# KiCad board kibot_a7dshx9q.kicad_pcb (continued)
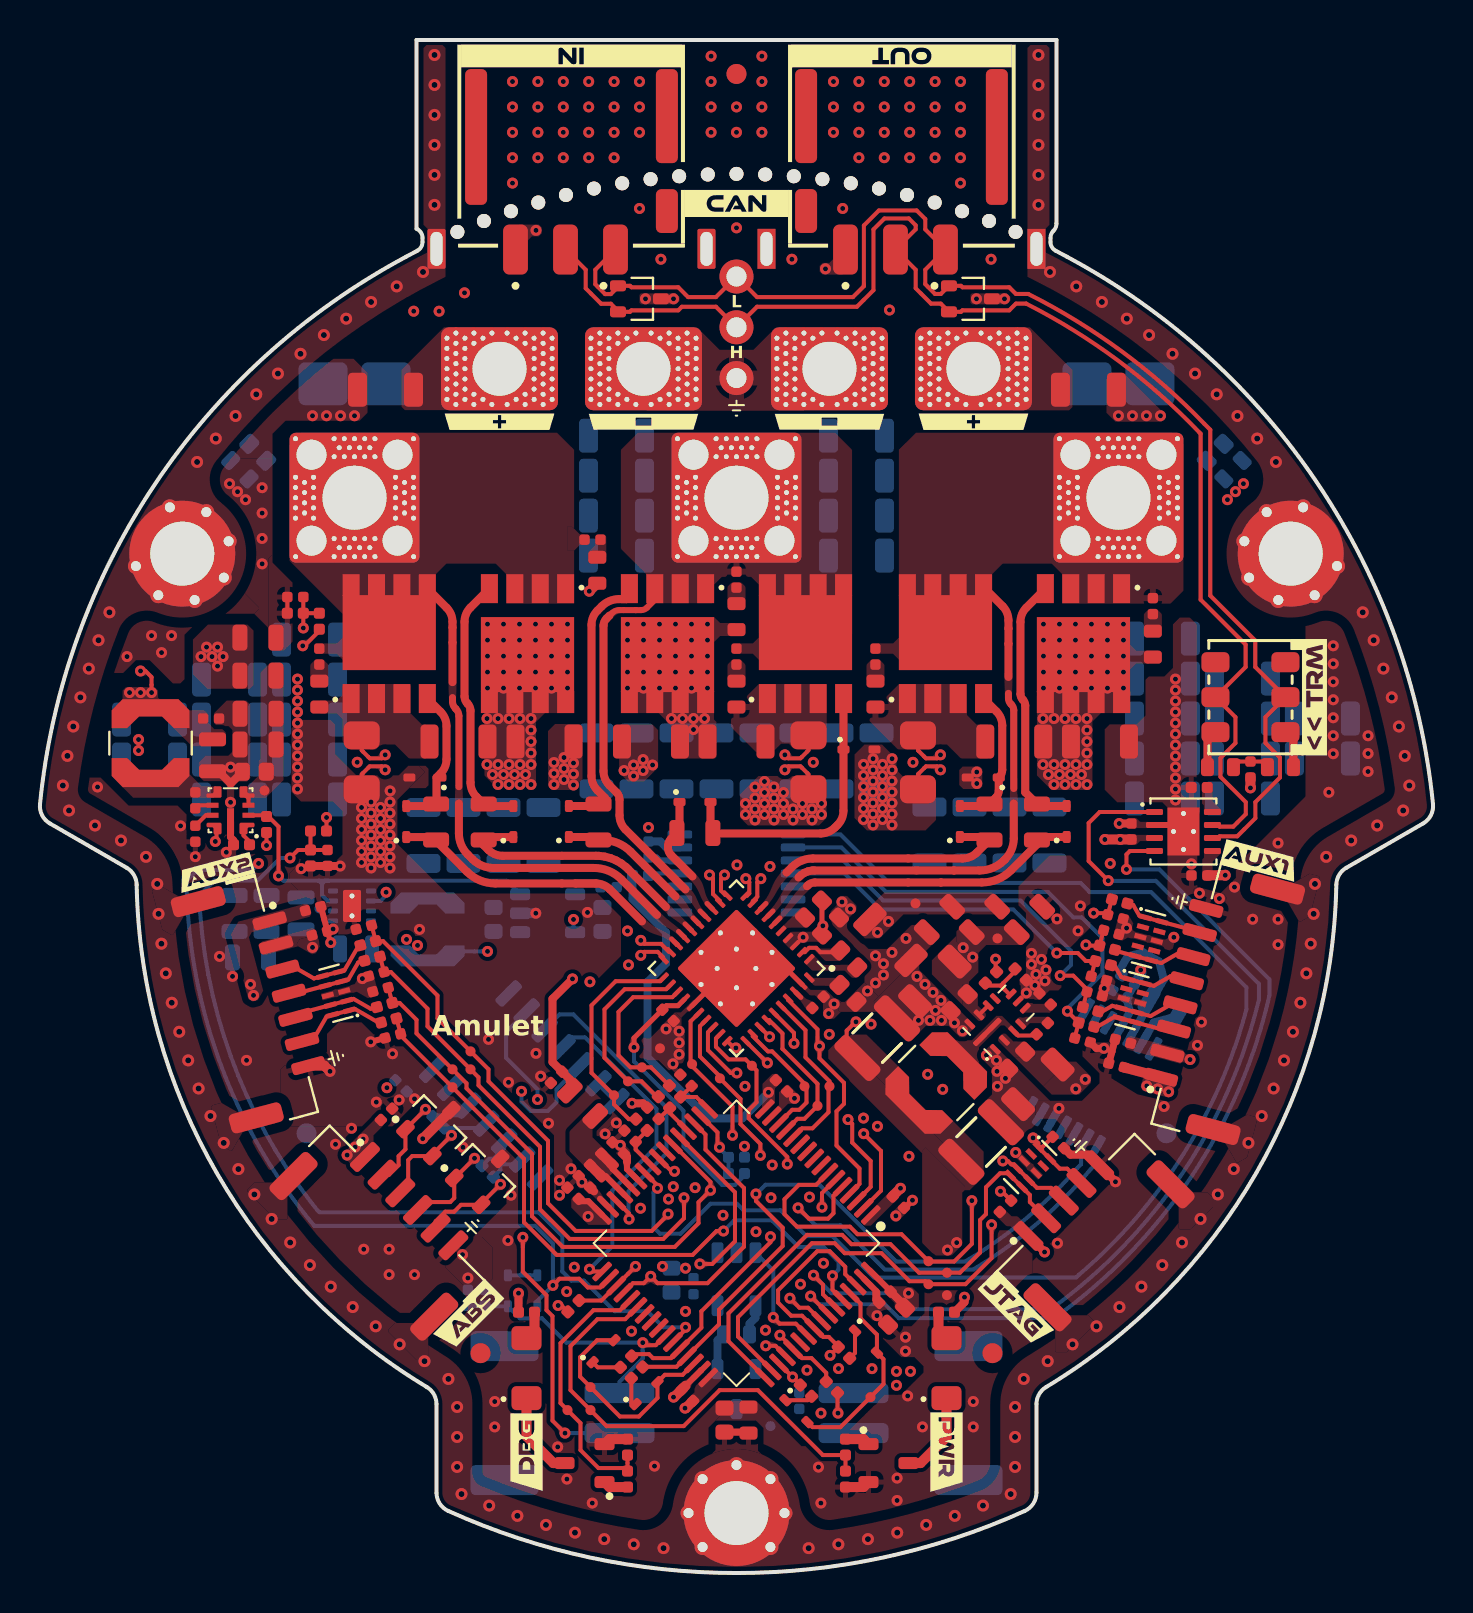
[diagram p0: board, top side]
## Nets (continued)
/Project Architecture/Motor Control - Top Level/CPL: C91.2 U6.1
/Project Architecture/Motor Control - Top Level/GHA: D4.1 R10.2 TP59.1 U6.6
/Project Architecture/Motor Control - Top Level/GHB: D7.1 R13.1 TP62.1 U6.15
/Project Architecture/Motor Control - Top Level/GHC: D10.1 R16.1 TP65.1 U6.16
/Project Architecture/Motor Control - Top Level/GLA: D5.1 R11.1 TP60.1 U6.8
/Project Architecture/Motor Control - Top Level/GLB: D8.1 R14.1 TP63.1 U6.13
/Project Architecture/Motor Control - Top Level/GLC: D11.1 R17.1 TP66.1 U6.18
/Project Architecture/Motor Control - Top Level/Motor Control - Inverter/FET_GHA: D4.2 Q1.4 R10.1
/Project Architecture/Motor Control - Top Level/Motor Control - Inverter/FET_GHB: D7.2 Q3.4 R13.2
/Project Architecture/Motor Control - Top Level/Motor Control - Inverter/FET_GHC: D10.2 Q5.4 R16.2
/Project Architecture/Motor Control - Top Level/Motor Control - Inverter/FET_GLA: D3.1 D5.2 Q2.4 R11.2
/Project Architecture/Motor Control - Top Level/Motor Control - Inverter/FET_GLB: D6.1 D8.2 Q4.4 R14.2
/Project Architecture/Motor Control - Top Level/Motor Control - Inverter/FET_GLC: D9.1 D11.2 Q6.4 R17.2
/Project Architecture/Motor Control - Top Level/Motor Control - Inverter/PHA: C133.2 C136.1 J3.1 NT4.2 Q1.1 Q1.2 Q1.3 Q2.5 Q2.6 Q2.7 Q2.8
/Project Architecture/Motor Control - Top Level/Motor Control - Inverter/PHB: C134.2 C137.1 J4.1 NT7.2 Q3.1 Q3.2 Q3.3 Q4.5 Q4.6 Q4.7 Q4.8
/Project Architecture/Motor Control - Top Level/Motor Control - Inverter/PHC: C135.2 C138.1 J5.1 NT10.2 Q5.1 Q5.2 Q5.3 Q6.5 Q6.6 Q6.7 Q6.8
/Project Architecture/Motor Control - Top Level/Motor Control - Inverter/SNUBH_A: C136.2 R58.1
/Project Architecture/Motor Control - Top Level/Motor Control - Inverter/SNUBH_B: C137.2 R59.1
/Project Architecture/Motor Control - Top Level/Motor Control - Inverter/SNUBH_C: C138.2 R60.1
/Project Architecture/Motor Control - Top Level/Motor Control - Inverter/SNUBL_A: C133.1 R55.2
/Project Architecture/Motor Control - Top Level/Motor Control - Inverter/SNUBL_B: C134.1 R56.2
/Project Architecture/Motor Control - Top Level/Motor Control - Inverter/SNUBL_C: C135.1 R57.2
/Project Architecture/Motor Control - Top Level/Motor Control - Inverter/SRC_LS_A: C95.2 NT5.1 Q2.1 Q2.2 Q2.3 R12.2 R55.1
/Project Architecture/Motor Control - Top Level/Motor Control - Inverter/SRC_LS_B: C97.2 NT8.2 Q4.1 Q4.2 Q4.3 R15.2 R56.1
/Project Architecture/Motor Control - Top Level/Motor Control - Inverter/SRC_LS_C: C99.2 NT11.2 Q6.1 Q6.2 Q6.3 R18.2 R57.1
/Project Architecture/Motor Control - Top Level/SA_N: NT6.1 TP69.1 U6.10
/Project Architecture/Motor Control - Top Level/SA_P: NT5.2 TP68.1 U6.9
/Project Architecture/Motor Control - Top Level/SB_N: NT9.1 TP71.1 U6.11
/Project Architecture/Motor Control - Top Level/SB_P: NT8.1 TP70.1 U6.12
/Project Architecture/Motor Control - Top Level/SC_N: NT12.1 TP73.1 U6.20
/Project Architecture/Motor Control - Top Level/SC_P: NT11.1 TP72.1 U6.19
/Project Architecture/Motor Control - Top Level/SHA: NT4.1 TP61.1 U6.7
/Project Architecture/Motor Control - Top Level/SHB: NT7.1 TP64.1 U6.14
/Project Architecture/Motor Control - Top Level/SHC: NT10.1 TP67.1 U6.17
/Project Architecture/Motor Control - Top Level/VCP: C88.2 U6.5
/Project Architecture/Motor Control - Top Level/VGLS: C93.1 U6.40
/Project Architecture/Power - Generation/ADJ_A3V3: C76.1 U5.4
/Project Architecture/Power - Generation/BOOT_5V: C27.2 U2.6
/Project Architecture/Power - Generation/BOOT_12V: C28.2 U3.4
/Project Architecture/Power - Generation/F_VIN_3V3: C52.1 C56.1 FB4.2 TP44.1 U4.2
/Project Architecture/Power - Generation/F_VIN_5V: C17.1 C20.1 C22.1 FB2.2 TP43.1 U2.3 U2.4
/Project Architecture/Power - Generation/F_VIN_12V: C18.1 C19.1 C21.1 C23.1 C25.1 FB3.2 TP42.1 U3.2 U3.9 U3.10
/Project Architecture/Power - Generation/FB_5V: NT1.2 U2.8
/Project Architecture/Power - Generation/FB_12V: NT2.1 R5.1
/Project Architecture/Power - Generation/FB_DIV_12V: R5.2 R6.1 U3.7
/Project Architecture/Power - Generation/MODE_5V: R4.1 U2.1
/Project Architecture/Power - Generation/PG_3V3: U4.8
/Project Architecture/Power - Generation/PG_5V: R7.1 U2.2 U4.3 U5.3
/Project Architecture/Power - Generation/PG_12V: U3.8
/Project Architecture/Power - Generation/SW_3V3: L3.1 U4.7
/Project Architecture/Power - Generation/SW_5V: C27.1 L1.1 U2.5
/Project Architecture/Power - Generation/SW_12V: C28.1 L2.1 U3.3 U3.12
/Project Architecture/Power - Generation/VOS_3V3: NT3.1 U4.6
/Project Architecture/Sensing - Position/COMM_VDD: R31.2 U7.11
/Project Architecture/Sensing - Position/DIS_VDD3V: C106.1 R32.2 U8.12
/Project Architecture/User - LED Indicators/DBG_G: Q7.1 R22.2
/Project Architecture/User - LED Indicators/LED_DBG_A: D12.2 R23.1
/Project Architecture/User - LED Indicators/LED_DBG_K: D12.1 Q7.3
/Project Architecture/User - LED Indicators/LED_PWR_A: D13.2 R26.2
/Project Architecture/User - LED Indicators/LED_PWR_K: D13.1 Q8.3
/Project Architecture/User - LED Indicators/PWR_G: Q8.1 R25.2
CHASSIS: C130.1 C131.1 C132.1 D1.1 D2.1 D24.3 D25.3 H1.1 H2.1 H3.1 J1.MP2 J2.MP2 J6.MP1 J6.MP2 J7.MP1 J7.MP2 J8.MP1 J8.MP2 J9.MP1 J9.MP2 J10.MP1 J10.MP2 J14.MP1 J14.MP2 R52.1 R53.1 R54.1

Pads without a net: D16 2 4 7 9; D18 2 9; D26 2 9; J1 MP1; J2 MP1; J12 MP1 MP2 MP3; J13 MP1 MP2 MP3; SW1 3 6; U7 6 7 8 9 10 14; U8 3 4 6 7 8 9 10 14; U9 1 8

## Via types
v1: diameter 0.55, hole 0.25, L1 (Sig, PWR) to L6 (Sig, PWR), 674 vias
v2: diameter 0.6, hole 0.3, L1 (Sig, PWR) to L6 (Sig, PWR), 120 vias

## Routing (per net, layer and track width the routed paths; a pad name or vN(x,y) marks a point on that pad's centre or on a via; arc(x,y) is an arc through that point)
+3V3: length 34.4
  L1 (Sig, PWR) w0.2: v1(25.91,13.38) 26.08,13.38 R8.1 ; R9.1 39.88,8.02 v1(39.9,8)
  L1 (Sig, PWR) w0.3: C8.1 42.54,14.1 41.49,15.14 ; C4.1 27.05,18.6 27.42,18.6 U1.32
  L1 (Sig, PWR) w0.4: v1(50.23,16.06) J14.1 ; C8.1 43.25,13.37 C1.1
  L1 (Sig, PWR) w0.5: C108.1 58.39,34.91 v1(59.27,34.91) ; C5.1 32.29,8.25 v1(32.25,8.25) ; C9.1 42.64,18.86 v1(43.03,19.25)
  L6 (Sig, PWR) w0.2: L3.2 20.73,30.65 21.18,31.1 NT3.2
  L6 (Sig, PWR) w0.3: U7.12 30.98,35.65 30.83,35.8 C104.1
  L6 (Sig, PWR) w0.4: R32.1 C105.1 54.51,28.09 U8.11 ; v1(36.43,24.05) 35.13,22.75 33.42,22.75 30.38,25.8 30.38,29.58 31.3,30.5 31.3,32.05 29.63,33.73 R31.1
  L6 (Sig, PWR) w0.5: v1(55.04,30.17) 55.07,30.04 R32.1
  vias: v1(13.63,31.3) v1(17.35,24.28) v1(18.33,31.7) v1(18.88,31.4) v1(27.41,17.84) v1(43.43,14) v1(57.51,25.69)
+5V: length 6.2
  L1 (Sig, PWR) w0.2: NT1.1 5.58,44 ; R7.2 v1(11.33,36.4)
  L1 (Sig, PWR) w0.4: R26.1 46.23,13.55 v1(46.23,13.8) ; v1(23.93,14) R23.2
  L1 (Sig, PWR) w0.5: v1(53.25,36.7) v1(54.02,36.7) C109.1 ; J6.1 54.22,25.29
  vias: v1(4.48,44.05) v1(5.03,44.05) v1(5.58,44.05) v1(10.53,29.45) v1(10.68,28.9) v1(15.36,20.91) v1(15.76,21.31) v1(16.16,21.71) v1(32.28,13.09) v1(55.34,24.37) v1(55.89,24.22) v1(56.44,24.08)
+12V: length 2.4
  L1 (Sig, PWR) w0.2: 45.98,20.66 46.54,20.1 ; C30.1 40.34,26.31 NT2.2
  vias: v1(42.83,10.09) v1(42.83,9.39) v1(43.53,10.09) v1(45.38,16.16) v1(45.84,16.53)
+A3V3: length 59.1
  L1 (Sig, PWR) w0.2: TH1.1 13.97,47.14 13.22,46.39 v1(13.14,46.39) ; v1(26.25,7) 25.63,7.63 25.63,12.85 25.33,13.15 25.33,13.89 24.14,15.08 v1(24.14,16.8)
  L1 (Sig, PWR) w0.25: v1(29.7,26.3) 29.7,26.77 C90.1 31.32,28.39 31.9,28.39 32.22,28.7
  L1 (Sig, PWR) w0.4: FB1.1 26.49,24.7 C2.1 25.63,25.57 25.63,28.73 v1(26.63,29.73)
  L3 (Sig, PWR) w0.2: v1(26.68,32.7) 25.65,33.73 21.49,33.73 19.26,35.96 19.26,40.97 13.84,46.39 v1(13.14,46.39)
  L6 (Sig, PWR) w0.2: R19.1 35.23,19.9 34.75,19.42 34.11,19.42 32.18,21.35 32.18,23.12 29.7,25.6 v1(29.7,26.3) ; NT13.1 v1(26.25,7) ; 24.14,15.02 24.27,14.9 24.47,14.9 ; 24.14,15.02 v1(24.14,16.8) ; 24.14,15.02 24.02,14.9 ; D14.1 24.87,14.9 24.47,14.9 ; 24.02,14.9 24.47,14.9 ; 24.02,14.9 D15.1 ; U5.5 26.68,32.14 v1(26.68,32.7)
  vias: v1(27.5,29.58)
+VBAT: length 3.8
  L1 (Sig, PWR) w0.2: v1(14.33,37.8) R29.1
  L1 (Sig, PWR) w0.25: C88.1 39.1,32.43 v1(39.15,32.38) 39.15,31.99 C92.1
  L1 (Sig, PWR) w0.5: v1(27.47,49.12) R60.2
  L6 (Sig, PWR) w0.2: 15.03,38.15 14.68,38.15 v1(14.33,37.8)
  vias: v1(8.05,45.85) v1(8.33,46.33) v1(8.6,45.85) v1(8.88,46.33) v1(8.88,45.38) v1(9.15,45.85) v1(22.35,42.75) v1(22.35,40.45) v1(22.38,47.48) v1(22.38,46.68) v1(22.38,45.88) v1(22.38,45.08) v1(22.38,44.28) v1(22.63,39.95) v1(22.9,42.75) v1(22.9,40.45) v1(22.9,39.45) v1(23.18,47.48) v1(23.18,46.68) v1(23.18,45.88) v1(23.18,45.08) v1(23.18,44.28) v1(23.18,39.95) v1(23.45,42.75) v1(23.45,40.45) v1(23.45,39.45) v1(23.73,39.95) v1(23.98,47.48) v1(23.98,46.68) v1(23.98,45.88) v1(23.98,45.08) v1(23.98,44.28) v1(24,42.75) v1(24,40.45) v1(24,39.45) v1(24.28,39.95) v1(24.55,42.75) v1(24.55,42.18) v1(24.55,41.6) v1(24.55,41.03) v1(24.55,40.45) v1(24.55,39.45) v1(24.78,47.48) v1(24.78,46.68) v1(24.78,45.88) v1(24.78,45.08) v1(24.78,44.28) v1(25.58,47.48) v1(25.58,46.68) v1(25.58,45.88) v1(25.58,45.08) v1(25.58,44.28) v1(26.38,47.48) v1(26.38,46.68) v1(26.38,45.88) v1(26.38,45.08) v1(26.38,44.28) v1(29.38,47.48) v1(29.38,46.68) v1(29.38,45.88) v1(29.38,45.08) v1(29.38,44.28) v1(30.18,47.48) v1(30.18,46.68) v1(30.18,45.88) v1(30.18,45.08) v1(30.18,44.28) v1(30.98,47.48) v1(30.98,46.68) v1(30.98,45.88) v1(30.98,45.08) v1(30.98,44.28) v1(31.58,42.75) v1(31.78,47.48) v1(31.78,46.68) v1(31.78,45.88) v1(31.78,45.08) v1(31.78,44.28) v1(32.13,42.75) v1(32.58,47.48) v1(32.58,46.68) v1(32.58,45.88) v1(32.58,45.08) v1(32.58,44.28) v1(32.68,42.75) v1(32.68,42.2) v1(33.23,42.75) v1(33.38,47.48) v1(33.38,46.68) v1(33.38,45.88) v1(33.38,45.08) v1(33.38,44.28) v1(38.16,31.81) v1(41.88,32.05) v1(42.43,32.6) v1(50.15,42.75) v1(50.15,40.45) v1(50.18,47.48) v1(50.18,46.68) v1(50.18,45.88) v1(50.18,45.08) v1(50.18,44.28) v1(50.43,39.95) v1(50.7,42.75) v1(50.7,40.45) v1(50.7,39.45) v1(50.98,47.48) v1(50.98,46.68) v1(50.98,45.88) v1(50.98,45.08) v1(50.98,44.28) v1(50.98,39.95) v1(51.25,42.75) v1(51.25,40.45) v1(51.25,39.45) v1(51.53,39.95) v1(51.78,47.48) v1(51.78,46.68) v1(51.78,45.88) v1(51.78,45.08) v1(51.78,44.28) v1(51.8,42.75) v1(51.8,40.45) v1(51.8,39.45) v1(52.08,39.95) v1(52.35,42.75) v1(52.35,42.18) v1(52.35,41.6) v1(52.35,41.03) v1(52.35,40.45) v1(52.35,39.45) v1(52.58,47.48) v1(52.58,46.68) v1(52.58,45.88) v1(52.58,45.08) v1(52.58,44.28) v1(53.38,47.48) v1(53.38,46.68) v1(53.38,45.88) v1(53.38,45.08) v1(53.38,44.28) v1(54.18,47.48) v1(54.18,46.68) v1(54.18,45.88) v1(54.18,45.08) v1(54.18,44.28)
/Project Architecture/Motor Control - Top Level/DVDD: length 0.4
  L1 (Sig, PWR) w0.25: 37.79,29.06 38.05,28.8
/Project Architecture/Power - Generation/VCC_5V: length 1.1
  L1 (Sig, PWR) w0.2: U2.7 8.29,37.91 C24.1
GND: length 48.3
  L1 (Sig, PWR) w0.2: NT9.2 38.43,39.96 R15.1 ; NT12.2 16.09,39.96 R18.1 ; R12.1 43.9,39.96 NT6.2 ; R4.2 9.32,36.08 v1(9.32,36.06) ; C127.2 48.09,19.1 v1(48.03,19.1) ; R27.2 C101.2 ; U6.25 32.6,28.37
  L1 (Sig, PWR) w0.25: C115.2 14.53,31.55 v1(14.54,31.54) ; U6.25 34.47,30.25 U6.41 37.3,30.25 U6.39
  L1 (Sig, PWR) w0.3: 41.82,14.03 41.82,14.1 U1.63 ; C9.2 43.25,18.27 v1(43.63,18.65) ; 29.35,20.57 29.35,20.21 U1.27 ; U10.9 56.85,37.43 U10.2 ; C113.2 C115.2 ; U1.47 33.05,10.14 32.28,9.37 ; C117.2 16.54,26.58 v1(16.54,26.57) ; U1.31 28,18.73
  L1 (Sig, PWR) w0.35: C114.2 53.76,26.71 53.6,26.08 53.6,26.08 53.44,25.5 ; R4.2 9.68,36.67 9.53,36.82 U2.9 ; v1(53.2,26.25) 52.82,26.25 C124.2
  L1 (Sig, PWR) w0.4: 29.35,20.57 29.35,20.83 C11.2 ; 41.82,14.03 41.82,13.67 C8.2 ; 53.45,25.49 C112.2 ; v1(15.01,35.37) 15,35.38 C103.2 R30.2 ; v1(29.6,23.5) 30.15,23.5 C13.2 ; 27.71,19.1 27.52,19.28 C10.2 ; C128.2 51.53,20.93 52.43,20.93 J14.5 53.78,19.59 v1(53.78,19.58) ; v1(53.97,37.5) C109.2 ; 9.53,39.49 9.9,39.86 ; C37.2 8.93,40.11 9.53,39.51
  L1 (Sig, PWR) w0.5: Q7.2 28.48,6.7 R21.2 ; Q8.2 41.18,4.3 R24.2 ; v1(60.53,39.28) C129.2 ; v1(14.5,25.1) 14.22,25.39 J7.7 ; 20.42,23.01 19.14,21.73 v1(19.14,21.73) ; 32.28,9.37 C5.2 31.71,8.8 v1(31.68,8.8)
  L6 (Sig, PWR) w0.2: R20.2 v1(35.23,21.35)
  L6 (Sig, PWR) w0.25: v1(9.63,29.85) C45.2 9.58,30.85 v1(8.98,30.85)
  L6 (Sig, PWR) w0.3: U9.6 U9.7
  L6 (Sig, PWR) w0.4: C106.2 55.69,27.54 U8.13 ; v1(50.95,23.25) 50.52,22.49 ; C104.2 31.02,36.6 31.32,36.3 U7.13
  L6 (Sig, PWR) w0.5: v1(24.79,33.01) U5.2
  vias: v1(2.88,39.33) v1(4.35,45.85) v1(4.93,41.7) v1(4.93,41.15) v1(5.58,46.9) v1(6.08,46.05) v1(6.58,46.9) v1(7.03,37.38) v1(7.77,35.84) v1(9.48,54.5) v1(9.53,40.32) v1(9.53,38.56) v1(9.88,54.1) v1(10.28,53.7) v1(10.33,25.65) v1(11.11,54.3) v1(11.11,53.03) v1(11.11,51.76) v1(11.11,50.49) v1(12.88,44.73) v1(12.88,44.18) v1(12.88,43.63) v1(12.88,43.08) v1(12.88,42.53) v1(12.88,41.98) v1(12.88,41.43) v1(12.88,40.88) v1(12.88,40.33) v1(12.88,39.78) v1(12.88,39.23) v1(13.06,35.24) v1(13.63,57.9) v1(14.33,57.9) v1(14.66,32.22) v1(14.78,21.45) v1(15.03,57.9) v1(15.58,22.25) v1(15.73,57.9) v1(15.86,40.57) v1(16.08,38.3) v1(16.08,37.75) v1(16.08,37.2) v1(16.08,36.65) v1(16.08,36.1) v1(16.08,35.55) v1(16.12,29.74) v1(16.19,16.2) v1(16.55,38.58) v1(16.55,38.03) v1(16.55,37.48) v1(16.55,36.93) v1(16.55,36.38) v1(16.55,35.83) v1(16.55,35.28) v1(16.82,23.56) v1(17.03,38.3) v1(17.03,37.75) v1(17.03,37.2) v1(17.03,36.65) v1(17.03,36.1) v1(17.03,35.55) v1(17.46,16.2) v1(17.46,14.93) v1(17.51,39.13) v1(17.5,38.58) v1(17.5,38.03) v1(17.5,37.48) v1(17.5,36.93) v1(17.5,36.38) v1(17.5,35.83) v1(17.5,35.28) v1(17.63,25.98) v1(17.96,23.67) v1(18.69,63.13) v1(18.73,23.73) v1(18.73,14.93) v1(18.98,32.2) v1(19.96,63.13) v1(21.15,21.3) v1(21.13,15.93) v1(21.23,64.05) v1(21.4,14.76) v1(22.43,26.7) v1(22.74,8.58) v1(22.74,7.31) v1(23.43,24.55) v1(23.4,16.64) v1(23.55,18.9) v1(23.63,74.62) v1(23.63,73.35) v1(23.63,72.08) v1(23.63,70.81) v1(23.63,69.54) v1(24.8,67.18) v1(24.8,26) v1(24.9,74.62) v1(24.9,73.35) v1(24.9,72.08) v1(24.9,70.81) v1(25.03,24.86) v1(25.43,22.5) v1(25.7,40.55) v1(25.7,40) v1(25.7,39.45) v1(25.89,6.31) v1(25.98,19.65) v1(25.98,18.9) v1(26.17,74.62) v1(26.17,73.35) v1(26.17,72.08) v1(26.17,70.81) v1(26.2,40.8) v1(26.2,40.25) v1(26.2,39.7) v1(26.34,14.08) v1(26.35,4.7) v1(26.55,20.23) v1(26.68,40.53) v1(26.68,39.98) v1(26.68,39.43) v1(26.72,15.3) v1(27.1,19.55) v1(27.44,74.62) v1(27.44,73.35) v1(27.44,72.08) v1(27.44,70.81) v1(27.38,33.05) v1(27.62,3.5) v1(28.26,21.97) v1(28.71,74.62) v1(28.71,73.35) v1(28.71,72.08) v1(28.71,70.81) v1(28.82,22.52) v1(29.02,21.4) v1(29.21,40.15) v1(29.38,32.13) v1(29.43,30.43) v1(29.58,12.1) v1(29.68,40.43) v1(29.68,39.88) v1(29.98,74.62) v1(29.98,73.35) v1(29.98,72.08) v1(29.98,68.27) v1(30.03,18.25) v1(30.16,40.7) v1(30.16,40.15) v1(30.43,37.3) v1(30.63,40.43) v1(30.73,5.35) v1(31.05,65.73) v1(31.13,15.34) v1(31.31,27.22) v1(31.43,18.71) v1(31.65,25.48) v1(31.67,19.33) v1(31.96,27.11) v1(31.96,26.53) v1(31.96,25.95) v1(32.28,15.25) v1(32.76,19.28) v1(33.56,75.89) v1(33.56,74.62) v1(33.56,73.35) v1(33.56,72.08) v1(34.15,17.9) v1(34.83,73.35) v1(34.83,72.08) v1(34.83,67.3) v1(34.85,35.43) v1(35.28,38.5) v1(35.28,37.95) v1(35.25,24.35) v1(35.75,39.33) v1(35.75,38.78) v1(35.75,38.23) v1(35.75,37.68) v1(35.8,17.08) v1(36.1,75.89) v1(36.1,74.62) v1(36.1,73.35) v1(36.1,72.08) v1(36.23,39.6) v1(36.23,39.05) v1(36.23,38.5) v1(36.23,37.95) v1(36.28,12.15) v1(36.5,35.35) v1(36.55,18.78) v1(36.61,20.41) v1(36.7,39.33) v1(36.7,38.78) v1(36.7,38.23) v1(36.7,37.68) v1(37.18,39.05) v1(37.18,38.5) v1(37.18,37.95) v1(37.6,65.73) v1(37.65,38.23) v1(37.65,37.68) v1(37.73,23.75) v1(38.03,14.45) v1(38.13,38.5) v1(38.13,37.95) v1(38.35,10.15) v1(38.48,18.81) v1(38.67,40.56) v1(38.6,38.23) v1(38.6,37.68) v1(38.93,5.3) v1(39.05,8) v1(39.05,3.5) v1(39.08,38.5) v1(39.08,37.95) v1(39.18,15.5) v1(39.28,65.25) v1(39.44,27.99) v1(39.47,26.95) v1(39.68,74.62) v1(39.68,73.35) v1(39.68,72.08) v1(39.71,28.47) v1(39.93,10.23) v1(40.14,68.27) v1(40.1,33.58) v1(40.53,33.23) v1(40.95,74.62) v1(40.95,73.35) v1(40.95,72.08) v1(40.95,70.81) v1(41.18,39.9) v1(41.18,39.35) v1(41.18,38.8) v1(41.18,38.25) v1(41.18,37.7) v1(41.18,40.46) v1(41.18,22.76) v1(41.38,29.12) v1(41.56,27.46) v1(41.66,40.74) v1(41.66,40.18) v1(41.65,39.63) v1(41.65,39.08) v1(41.65,38.53) v1(41.65,37.98) v1(41.65,37.43) v1(41.6,10.23) v1(41.78,30.88) v1(41.78,29.52) v1(41.85,12.88) v1(41.88,22.35) v1(42.13,40.46) v1(42.13,39.9) v1(42.13,39.35) v1(42.13,38.8) v1(42.13,38.25) v1(42.13,37.7) v1(42.22,74.62) v1(42.22,73.35) v1(42.22,72.08) v1(42.22,70.81) v1(42.18,30.48) v1(42.18,29.92) v1(42.48,63.19) v1(42.61,40.74) v1(42.61,40.18) v1(42.6,39.63) v1(42.6,39.08) v1(42.6,38.53) v1(42.6,37.98) v1(42.6,37.43) v1(42.6,31.05) v1(42.8,17.87) v1(42.86,4.75) v1(42.86,3.63) v1(43.3,31.75) v1(43.28,11.8) v1(43.28,11.1) v1(43.45,20.85) v1(43.39,8.86) v1(43.49,74.62) v1(43.49,73.35) v1(43.49,72.08) v1(43.49,70.81) v1(43.65,40.56) v1(43.85,29.85) v1(43.93,27.65) v1(44.13,7.31) v1(44.25,29.45) v1(44.39,24.95) v1(44.5,27.65) v1(44.65,29.05) v1(44.76,74.62) v1(44.76,73.35) v1(44.76,72.08) v1(44.76,70.81) v1(44.78,28.15) v1(45.05,28.65) v1(45.08,27.65) v1(45.14,24.2) v1(45.73,27.53) v1(46.03,74.62) v1(46.03,73.35) v1(46.03,72.08) v1(46.03,70.81) v1(46.03,69.54) v1(46.13,27.13) v1(46.67,8.58) v1(46.67,7.31) v1(46.84,40.08) v1(46.84,39.5) v1(47.33,25.9) v1(47.56,65.73) v1(47.83,25.65) v1(47.85,25.1) v1(47.88,24.35) v1(48.28,24.75) v1(48.79,21.04) v1(49.32,29.02) v1(49.58,31) v1(49.58,30.45) v1(49.75,29.4) v1(49.8,29.95) v1(50.08,30.7) v1(50.25,29.63) v1(50.3,30.18) v1(50.85,32.73) v1(50.88,16.5) v1(51.91,32.13) v1(52.02,33.37) v1(53.22,29.25) v1(53.52,35.5) v1(53.93,57.9) v1(54.33,32.27) v1(54.63,57.9) v1(55.33,57.9) v1(56.03,57.9) v1(56.21,23.34) v1(56.7,31.81) v1(56.78,44.73) v1(56.78,44.18) v1(56.78,43.63) v1(56.78,43.08) v1(56.78,42.53) v1(56.78,41.98) v1(56.78,41.43) v1(56.78,40.88) v1(56.78,40.33) v1(56.78,39.78) v1(56.78,39.23) v1(56.78,38.68) v1(57.58,35.48) v1(57.88,26.4) v1(57.98,34.01) v1(58.08,27.57) v1(58.97,33.75) v1(59.38,53.7) v1(59.78,54.1) v1(59.73,34.32) v1(60.18,54.5) v1(60.64,32.71) v1(61.91,36.52) v1(61.91,32.71) v1(61.91,31.44) v1(64.45,39.06) v1(64.67,46.39) v1(64.67,45.49) v1(64.67,44.59) v1(64.67,43.69) v1(64.67,42.79) v1(64.67,41.89) v1(64.67,40.99) v1(66.41,41.89) v1(66.41,41) v1(66.41,40.1)
/Project Architecture/Interface - Fan Control/FAN_GATE: length 1.7
  L6 (Sig, PWR) w0.4: R34.2 33.88,11.64 33.88,10.35
/Project Architecture/Interface - Fan Control/FAN_OUT: length 1.6
  L6 (Sig, PWR) w0.4: R34.1 35.48,12.47 35.78,12.77 U11.4
/Project Architecture/Interface - FD-CAN/FDCAN_N: length 69.9
  L1 (Sig, PWR) w0.2: SW1.2 61.28,42.82 61.28,41.52 62,40.8 62,39.8 60.77,38.57 60.77,37.76 60.22,37.21 ; 27.89,64.36 27.77,64.48 27.77,65.21 J13.3 ; 44.39,64.36 44.27,64.48 44.27,65.21 J12.3 44.27,67.23 44.27,67.74 43.84,68.17 41.95,68.17 41.2,67.42 41.2,64.48
  L1 (Sig, PWR) w0.203: SW1.2 60.77,45.33 60.77,46.65 58.52,48.9 58.52,57.2 58.22,57.5 arc(54.09,61.12) 49.41,63.99 49.41,63.99 48.8,63.99 48.47,64.33 46.13,64.33 46.05,64.4 D24.1 45.04,63.99 44.76,63.99 44.39,64.36 ; 27.89,64.36 28.26,63.99 28.54,63.99 28.9,64.35 D25.1 29.5,64.4 29.58,64.33 31.92,64.33 32.41,63.84 33.8,63.84 J11.3 35.86,63.84 40.65,63.84 41.2,64.38 41.2,64.48 ; 60.22,37.21 59.87,36.86 58.99,36.86 58.9,36.78 U10.6
/Project Architecture/Interface - FD-CAN/FDCAN_P: length 68.9
  L1 (Sig, PWR) w0.2: 44.05,64.02 43.79,64.28 43.79,65.21 J12.2 43.79,67.23 43.79,67.43 43.45,67.77 42.23,67.77 41.68,67.22 41.68,64.18 41.19,63.69 ; 27.55,64.01 27.29,64.27 27.29,65.21 J13.2 ; SW1.5 59.78,42.82 59.78,41.52 59.03,40.77 59.03,39.84 60.29,38.57 60.29,37.97 59.88,37.55 ; 49.32,63.51 arc(53.92,60.65) 57.98,57.06
  L1 (Sig, PWR) w0.203: 49.31,63.51 48.8,63.51 48.47,63.17 46.13,63.17 46.05,63.1 D24.2 45.04,63.51 44.56,63.51 44.05,64.02 ; 41.19,63.69 40.85,63.35 35.86,63.35 J11.2 33.8,63.35 32.1,63.35 31.92,63.17 29.58,63.17 29.5,63.1 D25.2 ; 57.98,57.06 58.04,57 58.04,48.7 60.29,46.45 60.29,45.33 SW1.5 ; 28.9,63.15 28.54,63.5 28.06,63.5 27.55,64.01 ; 59.88,37.55 59.67,37.34 58.99,37.34 58.9,37.43 U10.7
/Project Architecture/Interface - FD-CAN/FDCAN_RX: length 46.1
  L1 (Sig, PWR) w0.2: v1(54.33,35.2) 54.33,35.95 54.5,36.13 U10.4 ; v1(38.53,13.86) 39.37,13.02
  L6 (Sig, PWR) w0.2: v1(54.33,35.2) 55.97,35.2 61.48,29.7 61.48,28.9 arc(57.58,19.84) 50.72,12.75 50.72,12.75 42.95,12.75 42.25,13.45 38.94,13.45 v1(38.53,13.86)
/Project Architecture/Interface - FD-CAN/FDCAN_TX: length 50.9
  L1 (Sig, PWR) w0.2: 39.72,13.37 39.15,13.94 39.15,14.43 v1(38.68,14.9) ; U10.1 52.99,38.08 52.44,37.52 52.44,35.62 v1(53.42,34.64)
  L6 (Sig, PWR) w0.2: v1(38.68,14.9) 39.58,14 42.49,14 43.29,13.2 50.54,13.2 arc(57.14,20.02) 60.95,28.7 60.95,29.48 55.8,34.63 53.43,34.63 v1(53.42,34.64)
/Project Architecture/Interface - Interconnects/AUX1_A: length 71.8
  L1 (Sig, PWR) w0.2: U1.19 33.28,21.94 33.28,21.19 35.2,19.26 35.2,16.33 33.38,14.5 30.88,14.5 v1(30.54,14.84) 30.19,14.5 29.65,14.5 U1.36 ; v1(51.38,28.11) 51.38,28.1 R35.2 51.74,26.77
  L4 (Sig, PWR) w0.2: v1(51.38,28.11) 51.38,25.83 45.13,19.58 45.13,18.15 36.93,9.96 35.68,9.96 33.94,11.7 33.94,14.22 33.49,14.67 30.71,14.67 v1(30.54,14.84)
  L6 (Sig, PWR) w0.2: U7.2 40.08,36.3 42.3,34.08 50.4,34.08 51.68,32.8 52.09,32.8 53.13,31.76 53.13,30 51.38,28.25 v1(51.38,28.11)
/Project Architecture/Interface - Interconnects/AUX1_B: length 45.1
  L1 (Sig, PWR) w0.2: 39.02,12.66 38.41,13.27 37.97,13.27 v1(37.5,13.75) ; v1(51.01,29.89) 51.66,29.89 52.35,29.2 C122.1 R36.2
  L4 (Sig, PWR) w0.2: v1(51.01,29.89) 51.01,29.31 50.23,28.53 50.23,25.81 44.25,19.84 44.25,18.46 39.07,13.28 37.97,13.28 v1(37.5,13.75)
  L6 (Sig, PWR) w0.2: U7.3 40.16,35.65 42.16,33.65 49.03,33.65 51.55,31.13 51.55,30.43 v1(51.01,29.89)
/Project Architecture/Interface - Interconnects/AUX1_C: length 60.9
  L1 (Sig, PWR) w0.2: v1(50.85,31.02) 51.9,31.02 52.3,30.62 R37.2 52.77,30.62 C120.1 ; U1.21 34.75,19.05 34.75,16.6 33.62,15.46 v1(33,15.46)
  L4 (Sig, PWR) w0.2: v1(50.85,31.02) 50.85,30.98 51.59,30.24 51.59,29.14 50.7,28.25 50.7,25.72 44.65,19.67 44.65,18.28 36.77,10.39 35.82,10.39 34.42,11.79 34.42,14.61 33.9,15.13 33.34,15.13 v1(33,15.46)
  L6 (Sig, PWR) w0.2: v1(50.85,31.02) 48.67,33.2 42.03,33.2 40.23,35 U7.4
/Project Architecture/Interface - Interconnects/AUX1_D: length 69.4
  L1 (Sig, PWR) w0.2: U1.51 v1(37.63,9.81) 37.63,9.8 R44.2 ; v1(52.3,31.43) 52.34,31.39 R38.2 C118.1
  L4 (Sig, PWR) w0.2: v1(24.88,23.69) 24.58,23.39 24.58,22.09 22.45,19.96 22.45,16.78 23.32,15.9 24.97,15.9 25.94,16.87 25.94,17.91 26.96,18.93 27.84,18.93 28.86,17.91 28.86,15.45 30.03,14.27 33.16,14.27 33.54,13.89 33.54,11.54 35.52,9.56 37.38,9.56 v1(37.63,9.81) 37.96,9.48 38.69,9.48 38.93,9.72 38.93,11.37 45.55,17.99 45.55,19.44 52.13,26.02 52.13,29.78 52.3,29.95 v1(52.3,31.43)
  L6 (Sig, PWR) w0.2: U9.2 23.31,27.08 23.31,25.77 24.88,24.2 v1(24.88,23.69)
/Project Architecture/Interface - Interconnects/AUX1_D_K: length 1.4
  L1 (Sig, PWR) w0.2: D19.1 38.39,8.65 R44.1
/Project Architecture/Interface - Interconnects/AUX1_E: length 81.3
  L1 (Sig, PWR) w0.2: v1(39.51,10.89) 39.92,11.3 R46.2 39.92,11.34 39.45,11.81 39.16,11.81 U1.56 38.1,12.87 37.56,12.87 36.91,13.53 36.91,14.14 38.86,16.1 39.49,16.1 40.27,15.32 40.27,14.95 40.79,14.43 ; v1(52.68,33.02) 53.31,33.02 C116.1 R39.2
  L4 (Sig, PWR) w0.2: v1(52.68,33.02) 52.95,32.75 52.95,29.9 52.59,29.54 52.59,25.92 45.95,19.28 45.95,17.83 39.51,11.38 v1(39.51,10.89) 39.35,10.74 39.35,9.58 38.86,9.08 37.79,9.08 37.78,9.09 35.42,9.09 33.14,11.37 33.14,13.38 32.65,13.87 29.84,13.87 28.45,15.26 28.45,17.75 27.67,18.53 27.12,18.53 26.43,17.84 26.43,16.8 25.13,15.5 23.16,15.5 21.92,16.74 21.92,20.13 24.08,22.29 v1(24.08,24.1)
  L6 (Sig, PWR) w0.2: U9.5 25.83,24.2 25.83,23.55 25.4,23.12 24.55,23.12 24.08,23.59 v1(24.08,24.1)
/Project Architecture/Interface - Interconnects/AUX1_E_K: length 1.5
  L1 (Sig, PWR) w0.2: R46.1 40.75,11.01 D21.1
/Project Architecture/Interface - Interconnects/AUX1_I2C_PULLUP: length 10.2
  L1 (Sig, PWR) w0.2: U1.61 41.03,13.48 41.03,12.75 41.85,11.93 D21.2 42.18,10.7 42.18,9.45 TP22.1 40.03,7.3 38.63,7.3 D19.2 ; 38.36,7.46 38.45,7.38
/Project Architecture/Interface - Interconnects/AUX1P_A: length 5.1
  L1 (Sig, PWR) w0.2: 53.94,27.78 53.74,27.83 52.82,27.3 R35.1 ; 53.94,27.78 54.76,27.56 ; 53.94,27.78 56.48,27.09 J6.3
/Project Architecture/Interface - Interconnects/AUX1P_B: length 4.4
  L1 (Sig, PWR) w0.2: R36.1 53.07,28.06 53.62,28.38 53.62,28.38 D18.4 D18.7 55.53,27.86 56.67,28.52 J6.4
/Project Architecture/Interface - Interconnects/AUX1P_C: length 4.3
  L1 (Sig, PWR) w0.2: R37.1 53.75,30.36 54.07,29.81 55.69,29.38 56.52,29.85 J6.5
/Project Architecture/Interface - Interconnects/AUX1P_D: length 4.2
  L1 (Sig, PWR) w0.2: R38.1 53.78,31.13 56.07,30.52 56.96,31.03 J6.6
/Project Architecture/Interface - Interconnects/AUX1P_E: length 4.1
  L1 (Sig, PWR) w0.2: J6.7 57.97,32.08 54.98,32.88 54.67,33.42 R39.1
/Project Architecture/Interface - Interconnects/AUX2_A: length 35.7
  L1 (Sig, PWR) w0.2: v1(31.41,17.96) 31.41,17.93 30.59,17.11 26.79,17.11 25.4,18.5 25.4,21.63 22.43,24.6 22.43,25.2 TP24.1 19.88,27.75 19.88,28.89 17.16,31.61 R40.2 C123.1 ; 39.72,19.63 39.1,19.01 v1(39.1,18.3)
  L4 (Sig, PWR) w0.2: v1(39.1,18.3) 38.86,18.3 36.53,15.98 33.93,15.98 31.94,17.96 v1(31.41,17.96)
